# KiCad board PC110.kicad_pcb (continued)
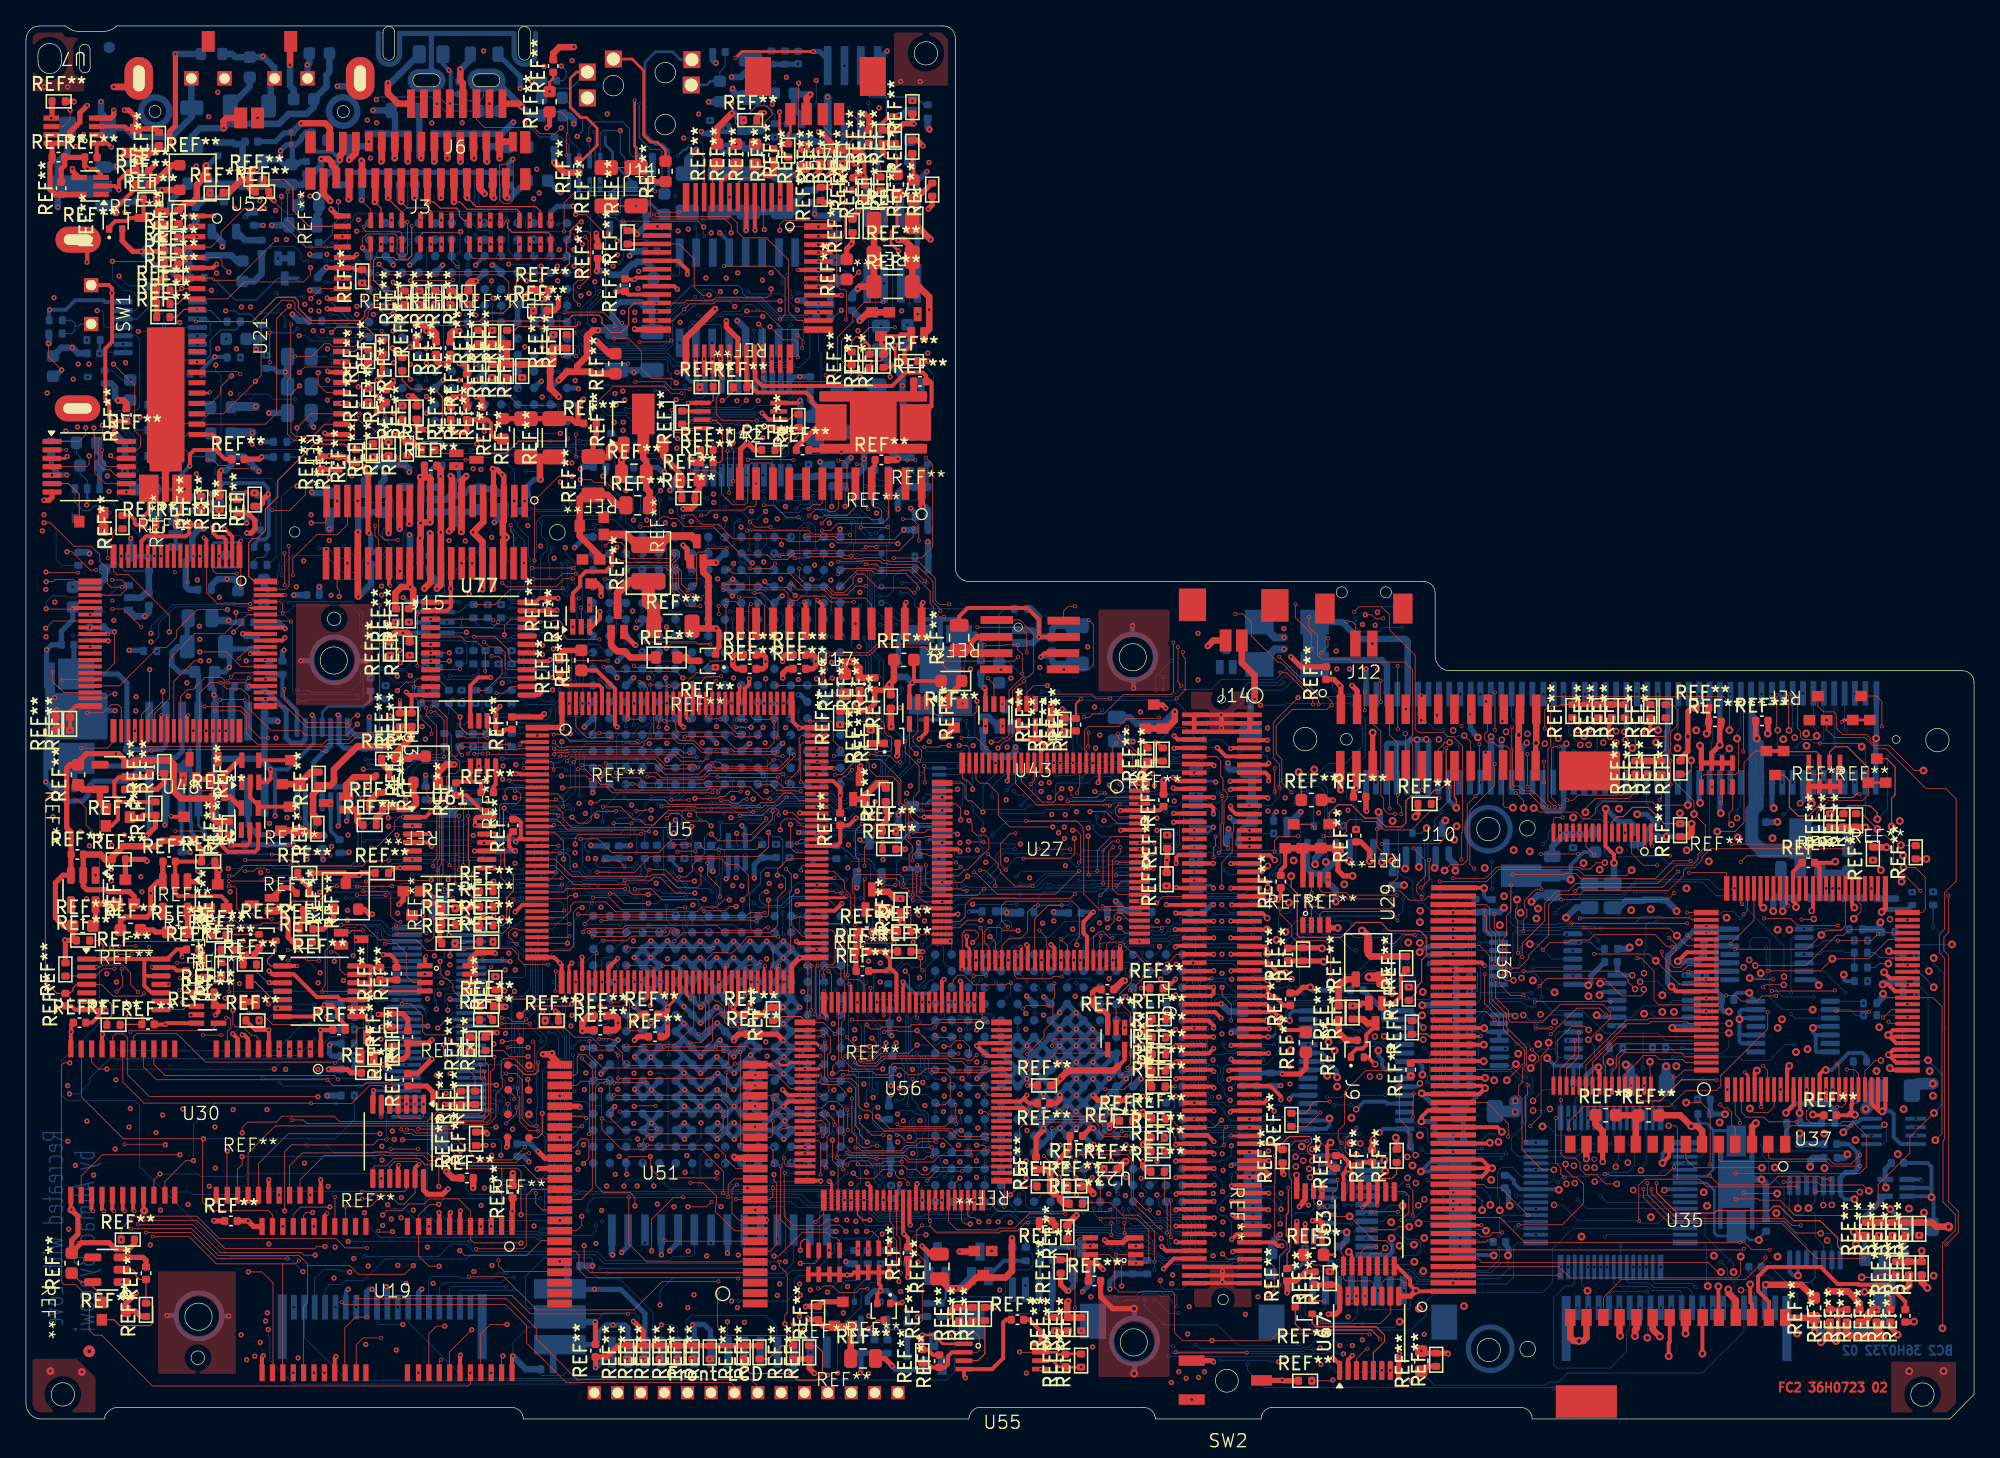
[diagram p0: board, top side]
## Routing (per net, layer and track width the routed paths; a pad name or vN(x,y) marks a point on that pad's centre or on a via; arc(x,y) is an arc through that point) (continued)
IOW#_Res: length 10.4
  BC1 w0.05: v11(50.72,44.21) 51.39,44.88 51.72,44.88 52.27,45.43 52.27,46.05 52.47,46.25 v11(52.47,47.94) ; v11(54.49,51.4) 54.49,49.78 54.41,49.7 v11(54.41,49.3)
  BC2 w0.05: v11(54.49,51.4) 54.44,51.45 53.83,51.45 ; v11(54.41,49.3) 54.41,48.53 53.82,47.94 v11(52.47,47.94)
IRQ3: length 43.4
  FC2 w0.05: 62.23,41.67 v2(62.24,41.68) ; v1(66.86,36.66) 66.85,36.67 v2(64.47,36.67)
  FC2 w0.2: U5.85 62.23,41.67
  FC1 w0.05: v2(64.47,36.67) 64.47,37.88 63.99,38.36 62.77,38.36 62.24,38.89 v2(62.24,41.68) ; v2(66.99,45.28) 67.4,45.69 68.62,45.69 69.91,44.4 v2(70.57,44.4) 70.57,43.3 69.64,42.37 68.36,42.37 67.95,41.96 67.02,41.96 66.42,41.36 66.42,40.24 67,39.66 67,38.97 66.86,38.83 v1(66.86,36.66)
  BC1 w0.05: v11(70.03,22.4) 69.67,22.4 69.66,22.39 68.23,22.39 68.02,22.6 68.02,23.67 67.91,23.78 v11(67.91,24.17)
  BC2 w0.05: v11(70.03,22.4) 70.04,22.4 U25.E1 ; v1(66.86,36.66) 67.49,36.03 67.49,35.23 66.95,34.69 66.95,33.35 67.78,32.52 67.78,27.61 67.92,27.47 67.92,26.58 67.98,26.52 67.98,24.63 67.91,24.56 v11(67.91,24.17)
IRQ4: length 77.5
  FC2 w0.05: v2(68.29,43.03) 68.29,43.42 68.77,43.9 U27.36
  FC2 w0.3: U27.36 71.77,43.9 v1(71.95,43.72)
  FC1 w0.05: v2(68.29,43.03) 67.03,43.03 66.57,42.57 65.21,42.57 64.84,42.94 62.36,42.94 60.91,41.49 v2(60.91,41.17)
  IC2 w0.05: v1(84.69,17.21) 84.69,17.76 84.33,18.12 84.33,18.76 83.89,19.2 83.02,19.2 80.53,21.69 78.32,21.69 77.78,22.23 v1(77.11,22.23)
  BC1 w0.05: v1(77.11,22.23) 76.86,22.48 v11(73.91,22.48) ; v1(84.69,17.21) 84.69,17.66 84.57,17.78 84.04,17.78 83.79,17.53 83.79,16.8 83.88,16.71 83.88,16.43 v11(83.65,16.2) ; v1(71.95,43.72) 71.95,43 71.85,42.9 71.85,40.53 71.37,40.05 71.37,38.7 71.84,38.23 71.84,35.08 72.42,34.5 72.42,33.44 72.08,33.1 71.67,33.1 71.5,32.93 71.5,32.68 71.75,32.43 72.34,32.43 72.5,32.59 73.05,32.59 73.37,32.27 73.37,31.47 73.7,31.14 73.7,29.13 73.9,28.93 73.9,27.31 73.91,27.3 73.91,23.99 v11(74.28,23.62) ; v11(83.54,13.21) 83.77,12.98 83.77,10.9 82.99,10.12 v11(82.99,9.35) ; v11(88.34,9.04) 88.34,9.32 88.99,9.97 88.99,11.77 v11(87.95,12.81)
  BC2 w0.05: v11(73.91,22.48) 73.84,22.55 73.84,23.11 74.28,23.55 v11(74.28,23.62) ; v11(87.95,12.81) 87.98,12.84 87.98,13.41 87.91,13.48 87.91,14.09 87.31,14.69 84.18,14.69 83.65,15.22 v11(83.65,16.2) ; v11(88.34,9.04) 87.96,9.42 87.46,9.42 87.23,9.65 86.04,9.65 85.56,9.17 84.76,9.17 84.63,9.04 83.81,9.04 83.44,9.41 83.05,9.41 v11(82.99,9.35) ; v11(83.54,13.21) 84.06,12.69 REF**#513.2
IRQ5: length 107
  FC2 w0.05: v2(81.1,42.23) 79.32,40.45 74.79,40.45 73.11,42.13 v2(73.01,42.13) ; v2(65.7,47.11) 65.7,46.13 65.32,45.75 65.32,44.81 64.59,44.08 v2(64.59,42.64) ; v2(62.82,40.54) 62.36,40.54 62.23,40.67 U5.83 ; v2(82.52,42.24) 82.52,43.8 83.62,44.9 U27.92
  FC1 w0.05: v2(73.01,42.13) 73.01,43.03 73.28,43.3 v1(73.28,43.85) 73.28,44.6 72.36,45.52 71.4,45.52 70.99,45.93 69.04,45.93 67.86,47.11 v2(65.7,47.11) ; v2(62.82,40.54) 62.82,41.18 63.81,42.17 63.81,42.43 64.02,42.64 v2(64.59,42.64) ; v2(81.1,42.23) 82.51,42.23 v2(82.52,42.24)
  IC2 w0.05: v1(70.74,24.88) 71.24,24.38 71.24,23.47 71.29,23.42 71.29,23.38 71.72,22.95 74.35,22.95 75.8,21.5 80.34,21.5 82.83,19.01 83.75,19.01 84.1,18.66 84.1,17.89 84.31,17.68 84.31,16.91 84.5,16.72 85.35,16.72 v1(85.91,17.28)
  IC4 w0.05: v1(73.28,43.85) 70.68,41.25 69.92,41.25 68.31,39.64 68.31,38.42 70.2,36.53 70.2,35.08 69.8,34.68 69.8,25.82 v1(70.74,24.88)
  BC1 w0.05: v1(85.91,17.28) 85.41,16.78 84.77,16.78 84.51,16.52 v11(84.51,16.2) ; v11(88.65,8.66) 88.65,9.31 89.16,9.82 89.16,12.12 v11(88.44,12.84) ; v11(83.93,9.35) 83.93,10.6 84.05,10.72 v11(84.05,13.21) ; v1(70.74,24.88) 71.36,24.26 v11(71.36,23.68)
  BC2 w0.05: 71.3,23.09 71.3,23.63 v11(71.36,23.68) ; v11(84.05,13.21) 84.66,12.6 84.66,12.5 84.96,12.2 REF**#753.2 ; v11(88.44,12.84) 88.44,12.94 88.17,13.21 88.17,13.48 88.11,13.54 88.11,14.22 87.45,14.88 85.24,14.88 84.51,15.61 v11(84.51,16.2) ; v11(83.93,9.35) 84.02,9.44 85.45,9.44 85.86,9.85 87.36,9.85 87.6,9.61 88.48,9.61 88.65,9.44 v11(88.65,8.66)
IRQ7: length 95.1
  FC2 w0.05: U27.37 69.52,43.4 69.37,43.55 v2(68.82,43.55) ; v1(59.4,39.63) 59.44,39.67
  FC2 w0.3: 59.44,39.67 U5.81
  FC1 w0.05: v1(59.4,39.63) 58.86,40.17 58.86,42.5 58.47,42.89 57.18,42.89 56.21,43.86 56.21,44.27 56.47,44.53 57.24,44.53 58.42,43.35 64.42,43.35 64.87,43.8 66.68,43.8 67.2,44.32 68.05,44.32 v2(68.82,43.55)
  IC2 w0.05: v1(87.11,17.27) 86.38,16.54 84.27,16.54 84.12,16.69 84.12,16.74 84.11,16.75 84.11,17.54 83.69,17.96 83.44,17.96 82.12,19.28 75.09,19.28 73.77,20.6 73,20.6 72.77,20.83 72.77,21.32 72.39,21.7 71.64,21.7 69.96,23.38 68.66,23.38 68.26,22.98 v1(67.58,22.98)
  IC4 w0.05: v1(59.4,39.63) 60.79,39.63 63.05,37.37 63.05,26.48 64.27,25.26 64.27,23.05 64.66,22.66 67.26,22.66 67.32,22.72
  IC4 w0.3: v1(67.58,22.98) 67.32,22.72
  BC1 w0.05: v1(87.11,17.27) 86.69,16.85 86.49,16.85 86.21,16.57 85.32,16.57 v11(84.94,16.19) ; v11(68.6,25.02) 67.84,25.02 67.58,24.76 v1(67.58,22.98) ; v11(88.78,8.15) 88.99,8.36 88.99,9.36 89.35,9.72 89.35,12.43 v11(88.94,12.84) ; v11(86.92,11.53) 86.93,11.52 v11(86.93,9.21)
  BC2 w0.05: REF**#684.2 86.75,12.2 86.92,12.03 v11(86.92,11.53) ; v11(88.94,12.84) 88.94,13.2 89.11,13.37 89.11,13.96 88.82,14.25 88.38,14.25 87.51,15.12 85.8,15.12 84.94,15.98 v11(84.94,16.19) ; v11(68.6,25.02) 69.38,25.02 U25.G1 ; v11(88.78,8.15) 88.09,8.15 87.03,9.21 v11(86.93,9.21)
IRQ9: length 30.2
  FC2 w0.05: v2(59.26,38.69) 59.28,38.67 U5.79
  FC1 w0.05: v2(59.26,38.69) 56.6,38.69 56.3,38.99 56.3,40.37 56.56,40.63 v1(57.03,40.63)
  BC1 w0.05: v11(68.54,31.95) v11(67.14,31.95)
  BC2 w0.05: U25.N1 68.57,31.98 v11(68.54,31.95)
  BC2 w0.08: v1(57.03,40.63) 56.76,40.63 56.49,40.36 56.49,40 56.93,39.56 58.17,39.56 58.87,40.26 61.6,40.26 62.56,39.3 63.21,39.3 63.29,39.22 63.96,39.22 64.92,38.26 64.92,37.42 65.58,36.76 66.09,36.76 66.42,36.43 REF**#836.2 65.51,34.56 65.3,34.35 65.3,32.7 65.67,32.33 66.76,32.33 v11(67.14,31.95)
IRQ10: length 56.9
  FC2 w0.05: v2(63.29,34.21) 63.29,37.62 62.74,38.17 U5.78
  FC1 w0.05: v2(63.29,34.21) 64.36,34.21 64.64,33.93 64.64,32.94 65.03,32.55 65.72,32.55 65.86,32.41 65.86,31.64 65.69,31.47 65.69,27.51 65.55,27.37 65.55,25.38 65.78,25.15 65.78,24.67 65.62,24.51 v1(65.62,24.01)
  IC4 w0.05: v1(61.74,9.77) 61.73,9.78 61.73,15.44 64.11,17.82 64.11,19.44 65.5,20.83 67.2,20.83 67.58,21.21 67.58,22.06 68.17,22.65 68.17,23.59 67.59,24.17 66.5,24.17 66.34,24.01 v1(65.62,24.01)
  BC1 w0.05: v11(75.19,21.14) 74.36,21.97 73.03,21.97 72.35,22.65 71.57,22.65 70.81,21.89 69.04,21.89 68.72,22.21 68.06,22.21 67.91,22.36 v11(67.67,22.36)
  BC2 w0.05: v1(61.74,9.77) 62.62,10.65 62.62,12.43 63.17,12.98 REF**#760.2 ; v1(65.62,24.01) 65.29,24.01 65.19,23.91 65.19,22.85 65.68,22.36 v11(67.67,22.36) ; v11(75.19,21.14) 75.11,21.06 75.11,20.54
IRQ11: length 32.8
  FC2 w0.05: v1(64.8,21.33) 64.22,21.91 64.22,22.28 63.89,22.61 63.89,25.5 63.39,26 61.82,26 61.52,26.3 61.52,28.95 v2(61.54,28.97) ; U5.77 62.07,37.67 62.32,37.42 62.32,35.2 62.11,34.99 61.6,34.99 61.12,34.51 v2(61.12,30.94)
  FC1 w0.05: v2(61.12,30.94) 61.12,29.39 v2(61.54,28.97)
  BC1 w0.05: v11(71.36,18.62) 71.36,18.94 71.15,19.15 70.38,19.15 69.82,19.71 66.38,19.71 v11(66,19.33) 66.73,19.33 66.96,19.1 66.96,18.32 v11(66.64,18)
  BC2 w0.05: v11(71.36,18.62) 71.3,18.57 71.3,18.01 ; v11(66,19.33) 66,20.84 65.51,21.33 v1(64.8,21.33)
IRQ14: length 170.9
  FC2 w0.05: v2(118.86,22.3) 118.86,22.93 120.02,24.09 126.63,24.09 127.86,25.32 130.2,25.32 130.54,25.66 130.54,26.45 134.16,30.07 v2(134.16,31.35) ; 144.93,36.96 143.45,36.96 141.95,35.46 v3(139.14,35.46) 138.21,34.53 v2(134.18,34.53) ; v2(114.17,21.76) 114.17,22.75 112.54,24.38 109.93,24.38
  FC2 w0.3: U5.75 59.49,36.67 v1(59.35,36.81)
  FC1 w0.05: v2(134.16,31.35) 134.16,34.51 v2(134.18,34.53) ; v2(114.17,21.76) 118.32,21.76 v2(118.86,22.3)
  IC2 w0.05: v1(68.29,26.94) 67.93,27.3 60.45,27.3 59.2,28.55 59.2,35.81 59.35,35.96 v1(59.35,36.81) ; v1(68.31,20.46) 68.86,20.46 70.21,19.11 72.73,19.11 v1(73.22,18.62)
  IC3 w0.05: v3(139.14,35.46) 137.4,35.46 136.47,34.53 136.47,32.84 135.9,32.27 129.2,32.27 127.76,30.83 124.42,30.83 124.03,31.22 123.97,31.22 123.34,31.85 120.04,31.85 119.46,32.43 113.56,32.43 112.4,33.59 102.35,33.59 102.15,33.79 98.82,33.79 97.62,34.99 97.62,35.02 91.22,35.02 89.56,33.36 88.16,33.36 87.85,33.05 81.75,33.05 80.75,34.05 77.05,34.05 76,33 64.18,33 60.96,36.22 59.94,36.22 v1(59.35,36.81)
  IC4 w0.05: v1(68.31,20.46) 68.28,20.49 68.28,21.26 68.45,21.43 68.45,25.32 68.3,25.47 68.3,26.93 v1(68.29,26.94)
  BC1 w0.05: v11(73.93,18.61) 73.23,18.61 v1(73.22,18.62) ; v11(141.85,33.74) 140.13,35.46 v3(139.14,35.46)
  BC2 w0.05: 73.84,18 73.84,18.52 v11(73.93,18.61)
IRQ15: length 77.1
  FC2 w0.05: v2(61.77,23.47) 62.3,22.94 v2(62.3,22.67) ; v2(60.97,34.94) 60.79,34.76 60.79,31.18 v2(60.8,31.17)
  FC1 w0.05: 67.42,13.66 67.42,13.84 67.26,14 67.26,17.47 66.84,17.89 66.84,18.42 67.03,18.61 67.03,20.41 67.63,21.01 67.63,22.37 68.06,22.8 68.06,23.41 67.52,23.95 66.89,23.95 66.44,23.5 66.44,23.3 65.81,22.67 v2(62.3,22.67) ; 67.42,13.66 67.42,12.58 66.95,12.11 66.95,11.68 65.44,10.17 65.44,4.02 v1(64.9,3.48) ; 67.42,13.66 67.46,13.7 68.84,13.7 v1(69.33,14.19) ; v2(60.8,31.17) 60.8,26.23 61.03,26 61.32,26 61.62,25.7 61.62,24.01 61.75,23.88 61.75,23.49 v2(61.77,23.47) ; v2(60.97,34.94) 60.97,36.11 v2(60.91,36.17)
  BC1 w0.05: v11(66.33,14.9) 67.33,15.9 67.84,15.9 69.58,17.64 72.52,17.64 72.64,17.76 72.64,18.79 73.1,19.25 73.66,19.25 73.93,19.52 v11(73.93,19.87) ; v1(64.9,3.48) 64.9,4 62.55,6.35 62.55,11 61.86,11.69 61.86,15.69 62.2,16.03 v11(62.64,16.03)
  BC2 w0.05: v11(62.64,16.03) 64.21,16.03 64.39,15.85 64.39,15.22 64.71,14.9 v11(66.33,14.9) ; v11(73.93,19.87) 73.84,19.78 73.84,19.3
  BC2 w0.08: REF**#723.2 67.89,13.54 68.54,14.19 v1(69.33,14.19)
JRC_OP1_Nin: length 5.7
  BC1 w0.1: v11(59.47,104.43) 60.63,104.43 60.77,104.29 v11(63.05,104.29)
  BC2 w0.4: v11(59.47,104.43) 59.44,104.4 REF**#681.1 REF**#626.1
JRC_OP1_out: length 27.5
  FC2 w0.08: 47,96.44 44.7,96.44
  FC2 w0.2: v2(46.88,101.61) 46.88,98.09 47,97.97 47,96.44 ; v1(60.66,105.38) 55.14,105.38 v2(54.66,104.9)
  FC1 w0.2: v2(46.88,101.61) 49.99,101.61 50.18,101.8 52.18,101.8 52.63,102.25 52.63,103.26 53.13,103.76 53.52,103.76 v2(54.66,104.9)
  BC2 w0.2: 58.47,105.42 58.5,105.39 59.47,105.39 59.48,105.38 v1(60.66,105.38)
  BC2 w0.4: U45.1 61.75,104.76 61.13,105.38 v1(60.66,105.38)
JRC_OP1_Pin: length 13.7
  FC2 w0.1: v1(67,97.29) 67.08,97.21
  FC2 w0.2: 67.08,97.21 REF**#218.2
  BC2 w0.1: U45.3 64.3,102.56 64.99,101.87 66.26,101.87 ; 66.26,101.87 66.28,101.85 66.28,100.37 67,99.65 v1(67,97.29) ; 66.26,101.87 REF**#844.2 68.56,101.87 69.16,101.27 REF**#549.2
JRC_OP2_Nin: length 32.4
  FC2 w0.4: v1(61.04,99.2) 61.18,99.2 62.01,98.37 REF**#140.2 REF**#167.2 ; REF**#54.2 64.92,100.28 64.59,100.61 v1(64.31,100.61) ; REF**#241.2 56.29,100.34 56.61,100.66 v1(56.86,100.66) ; v1(69.09,98.11) 68.65,98.55 REF**#117.2 ; v1(64.11,93.06) 63.67,92.62 REF**#380.2
  FC1 w1: v1(64.11,93.06) 65.21,93.06 68.03,95.88 68.03,96.7 68.21,96.88 68.21,97.44 68.88,98.11 v1(69.09,98.11) 68.2,98.11 67.54,98.77 66.09,98.77 64.31,100.55 v1(64.31,100.61) 63.35,100.61 61.94,99.2 v1(61.04,99.2) 57.4,99.2 56.86,99.74 v1(56.86,100.66)
  BC2 w0.6: v1(64.31,100.61) 64.31,98.47 U45.6
JRC_OP2_out: length 12.4
  FC2 w0.05: REF**#54.1 64.68,98.09 v2(64.68,98.06)
  FC2 w0.4: v2(62.91,96.76) 62.91,96.27 62.78,96.14 v1(62.78,95.85)
  FC1 w0.05: v2(62.91,96.76) 63.24,96.43 64.21,96.43 64.68,96.9 v2(64.68,98.06)
  BC1 w0.05: v11(68.1,98.56) 68.01,98.46 63.07,98.46 v11(63.05,98.44)
  BC2 w0.05: v1(62.78,95.85) 62.78,96.34 63.05,96.61 v11(63.05,98.44)
JRC_OP2_Pin: length 12.1
  BC1 w0.3: v13(62.37,89.31) 63.72,89.31 64.32,89.91 64.32,91.01 63.33,92 63.33,93.09 64.38,94.14 64.38,94.36 v13(65.58,95.56)
  BC2 w0.3: v13(65.58,95.56) 65.58,98.42 U45.5
KB1_0: length 25.5
  BC1 w0.05: v11(114.77,17.2) 114.19,17.78 111.77,17.78 111.4,17.41 v11(111.4,11.84)
  BC2 w0.05: J4.8 99.09,11.24 99.19,11.34 100.7,11.34 101.25,11.89 106.53,11.89 107.45,10.97 109.71,10.97 110.58,11.84 v11(111.4,11.84) ; v11(114.77,17.2) U31.56
KB1_1: length 27.8
  BC1 w0.05: v11(114.97,16.27) 114.28,15.58 114.28,13.33 114.69,12.92 114.69,12.31 114.41,12.03 v11(114.13,12.03)
  BC2 w0.05: v11(114.13,12.03) 113.6,12.03 112.85,11.28 110.84,11.28 110.14,10.58 107.17,10.58 106.47,11.28 102.7,11.28 102.57,11.15 102.57,7.98 102.05,7.46 100.09,7.46 99.81,7.74 99.81,8.32 100.09,8.6 J4.7 ; v11(114.97,16.27) 114.97,16.56 115.11,16.7 U31.55
KB1_2: length 16.1
  BC1 w0.05: v11(106.13,9.89) 106.59,10.35 115.26,10.35 116.37,11.46 116.37,13.54 116.85,14.02 116.85,14.57 116.3,15.12 v11(116.3,16.2)
  BC2 w0.05: v11(106.13,9.89) 106.11,9.89 J4.1
KB1_3: length 20.8
  BC1 w0.05: v11(113.5,13.13) v11(113.5,14.13)
  BC2 w0.05: v11(113.5,13.13) 113.5,12.32 112.63,11.45 110.63,11.45 109.95,10.77 107.35,10.77 106.63,11.49 101.29,11.49 101.09,11.29 J4.6 ; U31.53 113.77,15.7 113.5,15.43 v11(113.5,14.13)
KB1_4: length 15.3
  BC1 w0.05: v11(105.15,9.89) 105.78,10.52 112.21,10.52 113.55,11.86 113.55,12.69 113.81,12.95 v11(113.81,15.22)
  BC2 w0.05: J4.2 105.11,9.89 v11(105.15,9.89) ; U31.52 113.83,15.2 v11(113.81,15.22)
KB1_5: length 30
  BC1 w0.05: v11(102.11,9.08) 102.11,8.31 102.32,8.1 102.32,7.51 102.81,7.02 110.64,7.02 111.91,8.29 114.78,8.29 116.79,10.3 116.79,13.33 117.38,13.92 117.38,14.61 116.95,15.04 116.95,16.21 116.55,16.61 116,16.61 114.72,15.33 v11(114.72,14.69)
  BC2 w0.05: J4.5 102.11,9.89 v11(102.11,9.08) ; U31.51 114.73,14.7 v11(114.72,14.69)
KB1_6: length 14.9
  BC1 w0.05: v11(104.14,9.89) 104.99,10.74 110.46,10.74 110.56,10.84 110.97,10.84 v11(111.01,10.8) ; v11(116.3,14.2) 115.96,13.86 115.96,12.39 115.21,11.64 v11(114.27,11.64)
  BC2 w0.05: v11(104.14,9.89) 104.11,9.89 J4.3 ; v11(111.01,10.8) 113.43,10.8 v11(114.27,11.64)
KB1_7: length 19.1
  BC2 w0.05: J4.4 103.09,8.57 103.23,8.43 106.5,8.43 106.62,8.55 106.62,10.15 106.86,10.39 114.03,10.39 114.57,10.93 114.57,11.12 114.58,11.13 114.58,13.28 114.9,13.6 U31.49
KB2_1: length 8.5
  BC1 w0.05: v11(125.9,11.7) 125.11,12.49 121.94,12.49 121.53,12.08 121.53,11.34 121.13,10.94 v11(121.13,8.57)
KB2_2: length 7.8
  BC1 w0.05: v11(128.62,10.14) 129.17,9.59 130.45,9.59 130.73,9.31 v11(130.73,8.57)
  BC2 w0.05: U31.34 125.3,10.64 125.51,10.43 128.33,10.43 v11(128.62,10.14)
KB2_3: length 6
  BC1 w0.05: v11(124.86,9.81) 124.8,9.87 v11(124.8,11.7)
  BC2 w0.05: J5.17 121.93,9.63 122.11,9.81 v11(124.86,9.81)
KB2_4: length 3.2
  BC1 w0.05: v11(124.33,8.57) 124.29,8.61 124.29,11.69 v11(124.3,11.7)
KB2_5: length 3.6
  BC1 w0.05: v11(122.73,8.57) 123.8,9.64 v11(123.8,11.7)
KB2_6: length 7.7
  BC2 w0.05: J5.9 128.33,9.78 127.98,10.13 125.38,10.13 125.03,10.48 123.46,10.48 123.3,10.64 U31.38
KB2_7: length 13.9
  BC1 w0.05: v11(130.53,12.12) 127.79,12.12 126.55,13.36 122.82,13.36 v11(122.82,13.36)
  BC2 w0.05: v11(122.82,13.36) 122.8,13.34 U31.39 ; v11(130.53,12.12) 131.05,11.6 131.05,11.06 131.57,10.54 131.57,9.67 131.53,9.63 J5.5
KB2_8: length 7.9
  BC2 w0.05: J5.10 127.53,9.72 127.35,9.9 125.24,9.9 124.92,10.22 122.52,10.22 122.29,10.45 122.29,11.7
KB2_9: length 11.8
  BC1 w0.05: v11(121.8,11.7) 121.8,8.73 122.35,8.18 124.68,8.18 125.69,9.19 126.07,9.19 126.41,8.85 126.41,8.37 126.59,8.19 128.75,8.19 v11(129.13,8.57)
KB2_10: length 9.8
  BC1 w0.05: v11(126.73,8.57) 126.73,9.96 126.27,10.42 126.27,12.28 125.84,12.71 121.82,12.71 121.3,12.19 v11(121.3,11.7)
KB2_11: length 14.1
  BC1 w0.05: v11(120.8,11.7) 120.8,11.34 120.92,11.22 120.92,8.18 121.16,7.94 124.76,7.94 125.79,8.97 126.05,8.97 126.05,8.96 126.22,8.79 126.22,8.27 126.55,7.94 129.3,7.94 v11(129.93,8.57)
KB2_12: length 9.7
  BC1 w0.05: v11(120.3,11.7) 120.3,11.37 120.7,10.97 120.7,7.84 120.92,7.62 124.98,7.62 v11(125.93,8.57)
KB2_13: length 11.8
  IC1 w0.05: v3(124.88,6.26) 124.91,6.29 124.91,8.28 123.31,9.88 v3(120.28,9.88)
  BC2 w0.05: v3(120.28,9.88) 119.8,10.36 U31.45 ; J5.13 125.13,7.21 124.88,6.96 v3(124.88,6.26)
KB2_14: length 18.2
  BC2 w0.05: J5.15 123.53,6.93 123.29,6.69 123.29,5.17 122.04,3.92 117.95,3.92 117.68,4.19 117.68,9.36 118.57,10.25 119.05,10.25 119.3,10.5 U31.46
KB2_15: length 3.4
  BC1 w0.05: v11(119.53,8.57) 118.8,9.3 v11(118.8,11.7)
KB2_16: length 5.4
  BC1 w0.05: v11(120.33,8.57) 119.87,8.11 119,8.11 118.2,8.91 v11(118.2,11.7)
KB_CAPLED#: length 19
  BC1 w0.05: v11(119.52,16.9) 119.51,16.91 118.52,16.91 118.4,17.03 117.18,17.03 117.06,16.91 114.45,16.91 114.28,17.08 113.37,17.08 v3(112.79,16.5)
  BC2 w0.05: v3(112.79,16.5) 112.79,17.14 112.1,17.84 U14.4 ; U31.27 120.22,16.2 v11(119.52,16.9)
KB_CNTR#: length 103.9
  FC2 w0.05: v2(67.38,11.25) 67.04,11.59 67.04,13.77 66.8,14.01 66.8,14.92 66.55,15.17 U56.61
  FC1 w0.05: v2(67.38,11.25) 67.28,11.25 66.7,10.67 66.7,10.07 66.95,9.82 v1(67.37,9.82)
  IC3 w0.05: v3(113.52,16.08) 113,15.56 108.05,15.56 107.6,16.01 105.72,16.01 104.93,16.8 101.16,16.8 98.18,13.82 96.12,13.82 94.47,12.17 90.83,12.17 88.54,14.46 85.87,14.46 85.54,14.79 80.89,14.79 79.94,15.74 75.63,15.74 75.36,15.47 75.36,15.18 74.65,14.47 69.96,14.47 69.93,14.5 69.88,14.5 69.71,14.67 68.91,14.67 67.41,13.17 60.95,13.17 60.17,13.95 50.88,13.95 50.01,13.08 50.01,11.87 50.02,11.86 50.02,11.79 50.52,11.29 61.58,11.29 62.16,10.72 65.73,10.72 65.75,10.73 66,10.73 66.91,9.82 v1(67.37,9.82)
  BC2 w0.05: U31.59 115.16,18.7 114.46,19.4 113.68,19.4 113.36,19.08 113.36,17.16 113.33,17.13 113.33,17.09 113.52,16.9 v3(113.52,16.08)
KB_INT1: length 183
  FC2 w0.05: v3(131.79,52.44) 131.91,52.32 131.91,49.89 131.68,49.66 129.23,49.66 129.07,49.5 129.07,49.45 129.05,49.43 REF**#335.5
  IC2 w0.05: 126.32,53.64 111.09,53.64 110.28,52.83 110.28,51.75 109.27,50.74 107.17,50.74 103.37,54.54 100.43,54.54 98.95,56.02 97.22,56.02 95.58,54.38 94.8,54.38 93.15,52.73 91.08,52.73 89.42,51.07 81.81,51.07 77.98,54.9 77.98,57.35 76.41,58.92 69.27,58.92 66.54,61.65 66.54,65.11 68.19,66.76 68.19,68.17 68.25,68.23 68.25,68.72 68.18,68.79 68.18,69.02 68.66,69.5 68.66,74.65 59.05,84.27 59.05,88.35 57.65,89.74 56.31,89.74 54.89,88.32 v1(54.83,88.32) ; v3(126.04,32.66) 126.04,33.64 126.31,33.91 126.31,37.06 124.39,38.98 124.39,42.03 125.09,42.73 125.09,50.58 126.23,51.72 126.23,53.64 ; v3(131.79,52.44) 131.79,53.34 131.49,53.64 126.29,53.64
  BC1 w0.05: v1(54.83,88.32) 54.81,88.32 52.53,90.6 52.52,90.59 v11(48.52,90.59) ; v11(44.23,95.11) 44.82,95.11 45.6,94.33 45.6,91.42 44.99,90.81 43.86,90.81 43.24,90.19 43.24,89.44 43.42,89.26 45.5,89.26 v11(45.67,89.09) ; v11(127.8,21.3) 127.8,21.52 126.99,22.33 126.99,22.97 126.54,23.42 126.54,24.09 128.08,25.63 128.08,29.5 126.47,31.11 126.47,32.23 v3(126.04,32.66)
  BC2 w0.05: v3(131.79,52.44) 131.79,52.98 132.08,53.27 J8.14 ; v11(48.52,90.59) 48.51,90.6 46.67,90.6 46.04,89.97 46.04,89.46 v11(45.67,89.09)
KB_INT2: length 180.3
  FC1 w0.05: v3(127.21,51.69) 127.21,50.35 128.86,48.7 v2(129.85,48.7)
  IC2 w0.05: v3(127.21,51.69) 126.92,51.4 126.92,40.55 126.58,40.21 126.58,34.37 127.38,33.57 127.38,32.69 126.53,31.84 126.51,31.84 v3(126.04,31.37)
  IC3 w0.05: v3(127.21,51.69) 126.32,52.58 126.32,54.23 124.44,56.11 108.24,56.11 106.93,57.42 106.93,58.99 105.31,60.61 102.64,60.61 100.2,63.05 70.14,63.05 69.9,63.29 69.9,77.85 66.72,81.03 66.71,81.02 62.96,81.02 58.84,85.14 58.84,86.69 57.8,87.73 57.8,89.48 56.23,91.05 55.46,91.05 55.05,91.46 55.05,100.76 54.38,101.43 v1(54.36,101.43)
  BC1 w0.05: v11(43.43,95.11) 43.43,94.03 v11(44.38,93.07) ; v11(131.28,55.86) 130.84,56.3 128.73,56.3 128.48,56.05 128.48,55.58 127.74,54.84 126.99,54.84 126.39,54.24 126.39,51.98 126.68,51.69 v3(127.21,51.69) ; v11(125.9,23.2) 125.9,23.96 127.91,25.97 127.91,28.78 127.27,29.42 126.59,29.42 126.04,29.97 v3(126.04,31.37)
  BC1 w0.1: v11(47.24,101.36) 47.62,101.36 48.12,101.86 53.36,101.86 53.79,101.43 v1(54.36,101.43)
  BC2 w0.1: v11(44.38,93.07) 44.65,92.8 45.56,92.8 45.78,93.02 45.78,94 46.11,94.33 47.26,94.33 48.4,95.47 48.84,95.47 48.98,95.61 48.98,97.7 48.85,97.83 48.13,97.83 47.24,98.72 v11(47.24,101.36)
KB_INT3: length 159.9
  FC2 w0.05: v5(131.36,45.81) 131.18,45.99 131.18,46.67 131.44,46.94 REF**#335.8
  IC1 w0.05: v1(42.22,88.84) 42.28,88.78 42.28,84.18 43.89,82.57 44.28,82.57 47.39,79.46 53.74,79.46 54.35,78.85 54.35,77.84 53.55,77.04 53.55,73.97 55.16,72.36 61.83,72.36 66.25,67.94 67.5,67.94 69.74,65.7 69.74,62.87 70.07,62.54 97.74,62.54 99.62,60.66 99.62,57.01 101.57,55.06 117.53,55.06 118.93,53.66 118.93,52.75 119.25,52.43 119.25,51.57 122.25,48.57 129.67,48.57 129.67,48.56 131.28,46.95 131.28,45.89 v5(131.36,45.81)
  BC1 w0.05: v11(131.28,49.06) 131.36,48.98 v5(131.36,45.81) 131.36,41.63 130.34,40.61 130.34,39.22 128.81,37.69 128.81,30.49 129.21,30.09 v11(129.21,26.19) ; v11(124.3,23.2) 124.3,24.65 125.86,26.21 127.59,26.21 v11(127.61,26.19) ; v11(41.83,95.11) 41.83,94.59 41.67,94.43 41.67,89.39 v1(42.22,88.84)
  BC2 w0.05: v11(129.21,26.19) v11(127.61,26.19)
KB_INT4: length 167.8
  FC2 w0.05: v2(130.56,47.49) 130.67,47.6 REF**#335.7
  FC1 w0.05: v5(131.8,46.31) 131.8,47.04 131.35,47.49 v2(130.56,47.49) 130.2,47.49 129.42,48.27 128.75,48.27 125.56,51.46 v3(125.56,52.13)
  IC1 w0.05: v1(45.55,89.71) 46.15,89.11 46.15,87.26 50.46,82.95 51.95,82.95 55.96,78.94 55.96,78.01 55.49,77.54 54.69,77.54 53.74,76.59 53.74,74.62 55.14,73.22 61.45,73.22 66.5,68.17 67.66,68.17 69.9,65.93 69.9,63.18 70.27,62.81 97.89,62.81 99.81,60.89 99.81,57.19 101.67,55.33 122.66,55.33 123.74,54.25 123.74,52.97 124.58,52.13 v3(125.56,52.13)
  IC2 w0.05: v3(125.56,52.13) 124.73,51.3 124.73,44.11 122.84,42.22 122.84,38.67 123.12,38.39 124.1,38.39 126.04,36.45 126.04,34.26 125.42,33.64 125.42,28.62 124.6,27.8 124.6,26.82 125.04,26.38 126.95,26.38 127.12,26.55 v3(127.12,27.19)
  BC1 w0.05: v1(45.55,89.71) 45.54,89.72 v11(43.5,89.72) ; v11(123.8,23.2) 123.8,25.11 124.79,26.1 124.79,26.57 125.88,27.66 126.65,27.66 v3(127.12,27.19)
  BC2 w0.05: REF**#636.7 42.6,93.65 43.5,92.75 v11(43.5,89.72) ; J8.87 132.08,47.23 131.87,47.02 131.86,47.02 131.8,46.96 v5(131.8,46.31)
KB_INT5: length 113
  FC2 w0.05: v2(113.13,50.46) 113.13,48.82 111.22,46.91 111.22,42.74 v2(111.56,42.4) ; v5(117.69,19.2) 116.78,19.2 115.23,20.75 115.23,24.71 114.96,24.98 114.96,25.66 115.26,25.96 115.26,27.02 115.6,27.36 115.6,28.62 114.02,30.2 114.02,31.22 112.91,32.33 112.91,37.2 112.5,37.61 112.5,38.65 112.34,38.81 v2(112.34,39.21) ; v2(99.56,55.08) 99.56,55.42 96.66,58.32 96.41,58.32 94.4,60.33 94.4,61.38 93.74,62.04 v2(93.15,62.04)
  FC2 w0.2: REF**#132.2 64.96,82.71 64.69,82.98 v1(64.41,82.98)
  FC1 w0.05: v1(64.41,82.98) 64.75,82.64 64.75,81.53 65.36,80.92 68.21,80.92 69.91,79.22 69.91,63.12 70.21,62.82 70.5,62.82 70.87,62.45 71.79,62.45 71.84,62.5 80.05,62.5 80.46,62.09 81.56,62.09 81.93,62.46 92.73,62.46 v2(93.15,62.04) ; v2(99.56,55.08) 100.1,54.54 102.4,54.54 102.76,54.18 103.68,54.18 105.83,52.03 105.83,52.02 107.27,50.58 113.01,50.58 v2(113.13,50.46) ; v2(112.34,39.21) 111.96,39.21 111.65,39.52 111.65,42.31 v2(111.56,42.4)
  BC2 w0.05: v5(117.69,19.2) 117.69,18.49 117.4,18.2 U31.58
KB_IRQ1: length 85.5
  FC2 w0.05: U5.86 62.26,42.17 63.03,41.4 63.03,40.87 63.53,40.37 63.53,38.73 v2(63.54,38.72)
  FC1 w0.05: v1(66.34,38.72) 66.04,39.02 64.77,39.02 64.47,38.72 v2(63.54,38.72)
  IC3 w0.05: v1(66.34,38.72) 66.92,38.14 66.92,37.31 68.02,36.21 69.24,36.21 71.09,34.36 88.98,34.36 89.81,35.19 97.83,35.19 98.64,34.38 102.91,34.38 103.08,34.55 103.79,34.55 104.46,33.88 112.78,33.88 113.8,32.86 116.33,32.86 116.85,33.38 118.87,33.38 120.23,32.02 126.29,32.02 v3(126.94,31.37)
  BC1 w0.05: v11(126.98,24.03) 126.98,24.19 128.39,25.6 128.39,29.92 v3(126.94,31.37)
  BC2 w0.05: v11(126.98,24.03) 126.44,24.57 125.44,24.57 125.3,24.43 U31.15
KB_IRQ12: length 89.5
  FC2 w0.05: v1(59.41,40.68) 58.98,40.25 58.98,38.03 59.84,37.17 U5.76
  FC1 w0.05: v5(124.39,19.16) 124.39,19.29 123.81,19.87 123.81,20.6 122.38,22.03 120.03,22.03 119.3,22.76 117.63,22.76 116.65,23.74 116.65,25 116.48,25.17 v3(116.48,28.88)
  IC1 w0.05: v3(116.48,28.88) 115.56,28.88 115.05,29.39 110.66,29.39 109.27,28 105.88,28 105.23,28.65 105.23,30.24 103.11,32.36 98.7,32.36 97.76,33.3 93.64,33.3 93.23,32.89 90.25,32.89 88.67,34.47 71.85,34.47 69.01,37.31 66.74,37.31 66.34,36.91 64.48,36.91 60.6,40.79 59.52,40.79 v1(59.41,40.68)
  BC2 w0.05: U31.14 124.79,23.19 124.79,19.72 124.39,19.32 v5(124.39,19.16)
KB_KBCSMI: length 46.8
  IC1 w0.05: v3(129.54,10.24) 128.94,10.24 128.72,10.46 113.74,10.46 111.28,8 109.16,8 108.17,8.99 96.89,8.99 v1(95.65,10.23)
  BC1 w0.05: v11(94.51,15.09) 94.33,14.91 94.33,10.68 94.78,10.23 v1(95.65,10.23)
  BC2 w0.05: U31.32 129.17,13.6 129.43,13.34 129.43,10.35 v3(129.54,10.24)
KB_NUMLED#: length 18.2
  BC1 w0.05: v3(112.86,18.43) 117.51,18.43 117.64,18.56 119.93,18.56 121.32,17.17 v11(121.32,17.16)
  BC2 w0.05: U14.3 112.8,18.49 v3(112.86,18.43) ; U31.26 121.78,16.7 v11(121.32,17.16)
KB_PADLED#: length 20.3
  IC2 w0.05: v3(112.16,16.09) 112.16,16.9 112.17,16.91 112.17,16.96 112.41,17.2 116.99,17.2 v5(117.7,16.49)
  BC2 w0.05: U31.28 126.35,15.7 125.74,15.09 124.39,15.09 124.21,15.27 119.55,15.27 118.33,16.49 v5(117.7,16.49)